# KiCad board GateMateA1-EVB_Rev_A.kicad_pcb (continued)
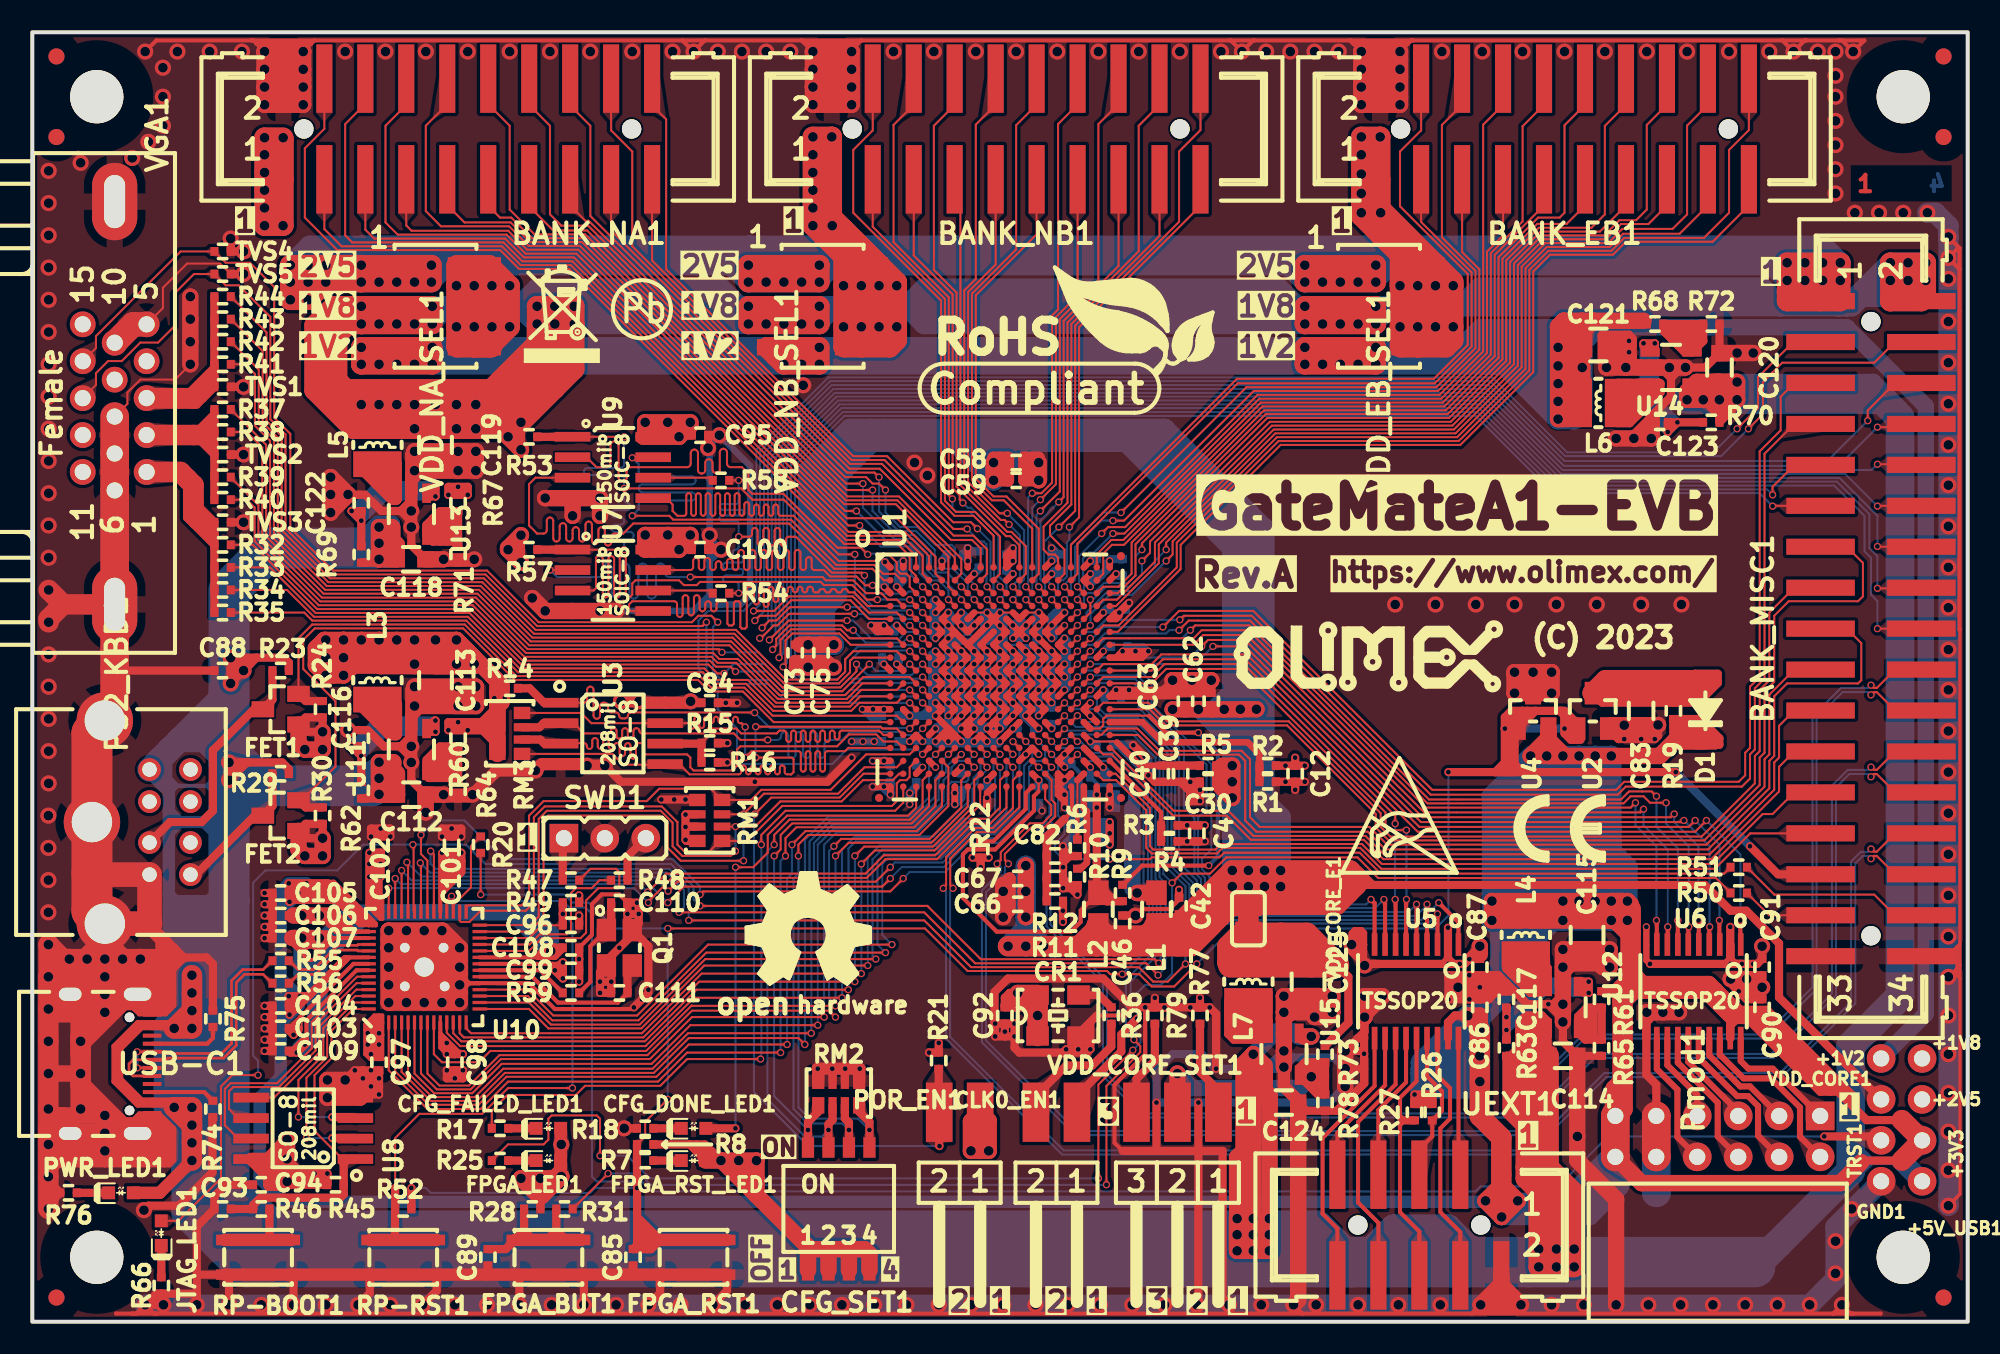
[diagram p0: board, top side]
## Routing (per net, layer and track width the routed paths; a pad name or vN(x,y) marks a point on that pad's centre or on a via; arc(x,y) is an arc through that point) (continued)
  Top w0.508: R27.2 85.11,12.49
/UEXT_TXD: length 8.5
  Top w0.254: U5.20 88.43,9.24 UEXT1.3
/USB_D+: length 15.7
  Top w0.165: USB-C1.B6 6.25,15.25 6,15.5 6,16 6.25,16.25 USB-C1.A6 8.29,16.25 8.4,16.35 11.86,16.35 12.65,17.14 12.65,21.04 13.16,21.55 14.31,21.55 14.87,21 R56.1
/USB_D-: length 15
  Top w0.165: USB-C1.A7 v2(6.5,15.75) ; v2(6.5,16.75) USB-C1.B7 8.29,16.75 8.4,16.65 11.74,16.65 12.35,17.26 12.35,21.16 13.04,21.85 14.31,21.85 14.87,22.4 R55.1
  Bottom w0.165: v2(6.5,15.75) v2(6.5,16.75)
/VGA_Blue_0: length 59.5
  Top w0.127: R44.2 14.52,61.39 14.52,55.89 15.46,54.95 15.46,49.11 18.45,46.12 28,46.12 31.2,42.92 43.63,42.92 46.71,39.84 49.91,39.84 50.4,40.33 50.4,41.1 50.9,41.6 53.6,41.6 U1.H2
/VGA_Blue_1: length 57.3
  Top w0.127: U1.H1 50.9,41.2 50.7,41 50.7,40.29 50.01,39.6 46.61,39.6 43.53,42.68 31.1,42.68 27.9,45.88 18.35,45.88 15.22,49.01 15.22,54.85 14.28,55.79 14.28,60.22 R43.2
/VGA_Blue_2: length 59.1
  Top w0.127: U1.J4 v2(55.2,40.8) ; v2(51.1,40.8) 51.1,40.35 50.1,39.36 46.57,39.36 46.56,39.36 46.51,39.36 43.43,42.44 31,42.44 27.8,45.64 18.25,45.64 14.98,48.92 14.98,54.75 14.04,55.69 14.04,59.06 R42.2
  Bottom w0.127: v2(51.1,40.8) 51.77,40.13 54.53,40.13 v2(55.2,40.8)
/VGA_Blue_3: length 57.4
  Top w0.127: v2(51.9,40.8) 50.22,39.12 46.47,39.12 46.47,39.12 46.42,39.12 43.33,42.21 30.91,42.21 27.71,45.41 18.16,45.41 14.74,48.82 14.74,54.66 13.81,55.59 13.81,58.79 13.2,59.4 R41.2 ; U1.J3 v2(54.4,40.8)
  Bottom w0.127: v2(54.4,40.8) 53.97,40.37 52.33,40.37 v2(51.9,40.8)
/VGA_Green_0: length 48.6
  Top w0.127: R40.2 13.3,51 13.78,50.52 13.78,48.43 17.76,44.45 27.31,44.45 30.51,41.25 42.12,41.25 42.49,40.88 43.65,40.88 46.12,38.4 50.6,38.4 51.4,39.2 53.6,39.2 U1.K2
/VGA_Green_1: length 48.3
  Top w0.127: R39.2 12.31,52.38 14.02,50.66 14.02,48.53 17.86,44.69 27.41,44.69 30.61,41.49 42.22,41.49 42.59,41.12 43.75,41.12 46.22,38.64 46.27,38.64 46.27,38.64 50.5,38.64 51.46,39.6 U1.K1
/VGA_Green_2: length 53.6
  Top w0.127: v2(42.76,41.53) 42.57,41.73 30.71,41.73 27.51,44.93 17.96,44.93 14.26,48.63 14.26,54.24 13.3,55.2 R38.2 ; U1.K4 v2(55.2,40)
  Bottom w0.127: v2(42.76,41.53) 45.02,41.53 47.19,39.36 50.12,39.36 50.66,39.89 55.09,39.89 v2(55.2,40)
/VGA_Green_3: length 53.8
  Top w0.127: U1.K3 54.4,40 51.52,40 50.4,38.88 46.37,38.88 46.37,38.88 46.32,38.88 43.23,41.97 30.81,41.97 27.61,45.17 18.06,45.17 14.5,48.72 14.5,54.41 R37.2
/VGA_HSync: length 76.8
  Top w0.127: VGA1.13 3.95,58.12 3.95,58.85 4.7,59.6 5.55,59.6 6.7,60.75 7.8,60.75 8.8,61.75 8.8,63.78 10.03,65 TVS5.2 11.99,64.3 12.8,64.3 14.76,62.34 14.76,55.99 15.7,55.05 15.7,49.21 18.55,46.36 28.1,46.36 31.3,43.16 41.56,43.16 v2(41.8,43.4) ; U1.M3 v2(54.4,38.4)
  Bottom w0.127: v2(54.4,38.4) 46.8,38.4 45.65,39.55 42.65,39.55 41.8,40.4 v2(41.8,43.4)
/VGA_Red_0: length 44.6
  Top w0.127: R35.2 16.86,44 17.36,43.5 26.91,43.5 30.11,40.3 41.57,40.3 42.28,39.58 44.26,39.58 45.94,37.9 50.78,37.9 51.28,38.4 53.6,38.4 U1.L2
/VGA_Red_1: length 44.2
  Top w0.127: R34.2 15.8,45.4 17.46,43.73 27.01,43.73 30.21,40.53 41.67,40.53 42.38,39.82 44.37,39.82 46.03,38.16 50.7,38.16 51.34,38.8 U1.L1
/VGA_Red_2: length 47.5
  Top w0.127: R33.2 14.74,46.8 17.56,43.97 27.11,43.97 30.31,40.77 41.92,40.77 42.47,40.22 v2(42.9,40.22) ; U1.L4 v2(55.2,39.2)
  Bottom w0.127: v2(42.9,40.22) 43.48,40.8 45.41,40.8 47.1,39.12 50.22,39.12 50.74,39.64 54.76,39.64 v2(55.2,39.2)
/VGA_Red_3: length 46.7
  Top w0.127: v2(43.6,40.34) 43.3,40.64 42.39,40.64 42.02,41.01 30.41,41.01 27.21,44.21 17.66,44.21 13.67,48.2 R32.2 ; U1.L3 v2(54.4,39.2)
  Bottom w0.127: v2(43.6,40.34) 45.54,40.34 47,38.88 50.38,38.88 50.7,39.2 v2(54.4,39.2)
/VGA_VSync: length 78.3
  Top w0.127: U1.M4 v2(55.2,38.4) ; v2(42.5,43.4) 42.1,43.8 41.3,43.8 40.9,43.4 31.4,43.4 28.2,46.6 18.65,46.6 16,49.25 16,55.09 15,56.09 15,64.2 13.5,65.7 11.99,65.7 TVS4.2 9.2,66.4 3.95,61.15 3.95,60.41 VGA1.14
  Bottom w0.127: v2(42.5,43.4) 42.2,43.1 42.2,40.34 42.73,39.81 45.73,39.81 46.9,38.64 50.49,38.64 50.65,38.8 54.8,38.8 v2(55.2,38.4)
/WB_A8: length 90.8
  Top w0.127: BANK_MISC1.9 109.26,53.16 107.9,51.8 v2(107.9,51.3) ; U1.H3 v2(54.4,41.6)
  Bottom w0.127: v2(54.4,41.6) 54.35,41.65 51.35,41.65 50.7,41 50.7,40.28 50.03,39.61 47.65,39.61 47.04,40.22 47.04,53.18 47.05,53.19 47.05,53.23 50.26,56.44 89.6,56.44 94.4,51.64 107.56,51.64 v2(107.9,51.3)
/WB_B8: length 90.2
  Top w0.127: U1.H4 v2(55.2,41.6) ; v2(107.9,50.6) 107.92,50.62 BANK_MISC1.11
  Bottom w0.127: v2(107.9,50.6) 107.1,51.4 94.3,51.4 89.5,56.2 50.35,56.2 47.29,53.14 47.29,53.09 47.28,53.08 47.28,40.32 47.75,39.85 49.93,39.85 50.4,40.32 50.4,41.1 51.19,41.89 54.09,41.89 54.2,42 54.8,42 v2(55.2,41.6)
/WC_A0: length 102.5
  Top w0.127: v2(46.56,40.62) 46.7,40.77 46.7,42.27 47.13,42.7 50.04,42.7 50.74,42 U1.G1 ; v2(114.4,43) BANK_MISC1.18
  Bottom w0.127: v2(46.56,40.62) 46.8,40.87 46.8,53.28 46.81,53.29 46.81,53.33 50.16,56.68 89.7,56.68 94.5,51.88 111.72,51.88 113.6,50 113.6,47.8 114,47.4 114,45.1 114.4,44.7 v2(114.4,43)
/WC_A1: length 99.7
  Top w0.127: U1.G3 v2(54.4,42.4) ; v2(50.9,42.9) 50.51,42.9 50.21,43.2 46.95,43.2 46.12,42.38 46.12,41.92 v2(45.9,41.7) ; v2(114.4,48.1) 114.42,48.08 BANK_MISC1.14
  Bottom w0.127: v2(45.9,41.7) 46.32,42.12 46.32,53.47 46.33,53.49 46.33,53.53 49.96,57.16 89.9,57.16 94.7,52.36 112.04,52.36 114.4,50 v2(114.4,48.1) ; v2(54.4,42.4) 54.22,42.4 53.95,42.13 51.67,42.13 v2(50.9,42.9)
/WC_A2: length 97.5
  Top w0.127: v2(50.98,43.92) 46.92,43.92 46.2,43.2 45.97,43.2 45.17,42.4 v2(45.1,42.4) ; v2(114.4,53.2) 117.09,53.2 BANK_MISC1.10 ; U1.F3 v2(54.4,43.2)
  Bottom w0.127: v2(54.4,43.2) 54.21,43.2 53.77,43.64 51.8,43.64 51.52,43.92 v2(50.98,43.92) ; v2(45.1,42.4) 45.17,42.4 45.84,43.08 45.84,53.72 49.76,57.63 90.09,57.63 94.89,52.84 114.04,52.84 v2(114.4,53.2)
/WC_A3: length 97.9
  Top w0.127: v2(44.8,43.5) 45.1,43.8 46.1,43.8 47.06,44.76 50.73,44.76 51.89,43.6 U1.E1 ; v2(113.8,55.9) 113.8,56.54 115.5,58.24 BANK_MISC1.6
  Bottom w0.127: v2(44.8,43.5) 45.37,44.07 45.37,53.91 49.56,58.11 90.29,58.11 95,53.4 111.3,53.4 v2(113.8,55.9)
/WC_B0: length 100.9
  Top w0.127: BANK_MISC1.16 117.09,45.5 v2(114.4,45.5) ; v2(46.3,41.2) 46.39,41.29 46.39,42.3 47.05,42.96 50.11,42.96 50.67,42.4 53.6,42.4 U1.G2
  Bottom w0.127: v2(46.3,41.2) 46.56,41.46 46.56,53.37 46.57,53.39 46.57,53.43 50.06,56.92 89.8,56.92 94.6,52.12 111.88,52.12 113.9,50.1 113.9,48 114.4,47.5 v2(114.4,45.5)
/WC_B1: length 98.3
  Top w0.127: U1.G4 v2(55.2,42.4) ; 45.74,42.34 v2(45.7,42.3) 46.9,43.5 50.51,43.5 v2(50.52,43.51) ; BANK_MISC1.12 114.42,50.62 v2(114.4,50.6)
  Bottom w0.127: v2(114.4,50.6) 112.4,52.6 94.79,52.6 89.99,57.39 49.86,57.39 46.1,53.63 46.1,53.58 46.08,53.57 46.08,42.68 v2(45.7,42.3) ; v2(50.52,43.51) 50.89,43.51 52.03,42.37 53.77,42.37 54.2,42.8 54.8,42.8 v2(55.2,42.4)
/WC_B2: length 98.7
  Top w0.127: v2(114.4,55.5) 116.93,55.5 BANK_MISC1.8 ; U1.F4 v2(55.2,43.2) ; v2(50.53,44.33) 46.97,44.33 46.14,43.5 45.7,43.5 v2(45.25,43.05)
  Bottom w0.127: v2(45.25,43.05) 45.61,43.41 45.61,53.82 49.66,57.87 90.19,57.87 94.96,53.1 112,53.1 v2(114.4,55.5) ; v2(55.2,43.2) 54.8,43.6 54.21,43.6 53.93,43.88 51.92,43.88 51.47,44.33 v2(50.53,44.33)
/WC_B3: length 100.1
  Top w0.127: U1.E2 53.6,44 51.87,44 50.87,45 46.9,45 46,44.1 v2(44.72,44.1) ; v2(106.4,55.4) 107.3,56.3 107.3,58.3 108.5,59.5 114.2,59.5 115.48,60.78 BANK_MISC1.4
  Bottom w0.127: v2(44.72,44.1) 45.13,44.51 45.13,54.01 49.46,58.35 90.39,58.35 95.04,53.7 104.7,53.7 v2(106.4,55.4)
/~{BOOTSEL}: length 6.1
  Top w0.508: R46.2 14.71,5.08 14.7,5.08
  Top w0.762: RP-BOOT1.1 RP-BOOT1.1
Net-(BANK_MISC1-Pad31): length 5.1
  Top w0.127: BANK_MISC1.31 107.69,25.22 R50.2
Net-(BANK_MISC1-Pad32): length 12.1
  Top w0.127: BANK_MISC1.32 115.48,25.22 114.2,26.5 108.01,26.5 R51.1
Net-(C89-Pad1): length 12.3
  Top w0.508: 32.49,5.67 31.9,5.08 ; 32.49,5.67 32.51,5.67 33.1,5.08 ; 32.49,5.67 R31.1 ; 30.49,5.64 31.06,5.08 31.3,5.08 ; 30.49,5.64 R28.1 ; 30.49,5.64 FPGA_BUT1.1 29.36,4.51 C89.1
  Top w0.762: FPGA_BUT1.1 FPGA_BUT1.1
Net-(C110-Pad1): length 6.4
  Top w0.254: R59.1 34.6,21.09 34.6,23.3 Q1.1
  Top w0.508: C110.1 35.89,24.59 Q1.1
Net-(CFG_DONE_LED1-K): length 1.7
  Top w0.508: R18.1 CFG_DONE_LED1.1
Net-(CFG_FAILED_LED1-K): length 1.7
  Top w0.508: R17.1 CFG_FAILED_LED1.1
Net-(CLK0_EN1-Pad2): length 8.4
  Top w0.508: CLK0_EN1.2 62.23,14.02 64.11,15.9 65.72,15.9 66.9,17.08 R36.1
Net-(CR1-OUT): length 2.3
  Top w0.508: CR1.3 66.14,20.27 R36.2
Net-(D1-A): length 27.2
  Top w0.508: R19.2 97.34,38.41 U2.3 ; R19.2 101.75,38.95 101.7,39 ; R19.2 103.28,38.41 103.75,38.88 ; 103.75,38.88 104.5,39.62 104.5,40.2 103.1,40.2 102.7,39.8 ; 103.75,38.88 D1.2
  Top w1.27: 102.95,39 D1.2 97.55,39.8 U2.3 102.95,39
Net-(FET1-D): length 15.3
  Top w0.508: R23.2 14.89,38.59 FET1.3 13.75,38 11.2,35.45 11.2,31.7 10.5,31 8.54,31 PS2_KBD1.1
Net-(FET2-D): length 8.9
  Top w0.508: PS2_KBD1.5 10.14,27.74 13.8,31.4 FET2.3 14.89,31.99 R29.2
Net-(FPGA_LED1-K): length 1.7
  Top w0.508: R25.1 FPGA_LED1.1
Net-(FPGA_RST_LED1-K): length 1.7
  Top w0.508: R7.1 FPGA_RST_LED1.1
Net-(JTAG_LED1-K): length 2
  Top w0.508: JTAG_LED1.1 R66.1
Net-(PWR_LED1-K): length 2
  Top w0.508: R76.1 PWR_LED1.1
Net-(R1-Pad2): length 11.8
  Top w0.406: U1.N18 68.82,37.2 70.07,35.95 75.35,35.95 76.08,35.22 R2.2
  Top w0.508: R2.2 R1.2
Net-(R3-Pad2): length 6.3
  Top w0.254: U1.T18 69.99,31.61 R3.2
  Top w0.508: R3.2 R4.2
Net-(R6-Pad2): length 4.3
  Top w0.127: 64.8,33.6 64.8,31.4
  Top w0.254: R6.2 64.8,31.4
  Top w0.406: U1.U16 64.8,33.6
Net-(R10-Pad2): length 5.5
  Top w0.406: U1.V16 65.2,31.85 65.39,31.66 65.39,28.49 65.01,28.11 R10.2
Net-(R47-Pad2): length 2.6
  Top w0.508: R47.2 32.89,29.93 SWD1.1
Net-(R48-Pad2): length 3.1
  Top w0.508: SWD1.3 36.91,28.87 R48.2
Net-(R77-Pad2): length 6
  Top w0.508: VDD_CORE_SET1.1 73.54,14.36 72.4,15.5 R77.2
Net-(R79-Pad1): length 6
  Top w0.508: VDD_CORE_SET1.3 68.46,15.06 69.6,16.2 R79.1
Net-(TVS1-IO2): length 19.2
  Top w0.508: R41.1 11.29,59.19 9.4,57.3 9.2,57.3 ; R41.1 11.29,58.6 ; R41.1 R42.1 R43.1 R44.1 ; 11.29,58.6 10,57.31 10,57.3 10.59,57.3 ; 11.29,58.6 TVS1.2 10.59,57.3 ; 10.59,57.3 10.19,56.9 9.8,56.9 ; 9.99,56.9 8.8,56.9 ; 9,56.9 7.49,56.9 VGA1.3
  Top w1.27: 10,57.3 VGA1.3
Net-(TVS2-IO2): length 15.8
  Top w0.508: TVS2.2 10.08,55.01 10,55.01 11.29,56.3 11.29,56.3 ; TVS2.2 11.29,54.2 ; TVS2.2 R39.1 R40.1 ; R38.1 11.29,54.2 ; R38.1 11.29,55.8 ; R38.1 11.1,55.01 10.5,55.01 10.5,55.01 ; 11.29,54.2 11.29,54.22 10.5,55.01 ; 11.29,55.8 11.29,56.3 ; 11.29,55.8 10.5,55.01 ; 11.29,56.3 R37.1
  Top w1.27: VGA1.2 10.5,55.01
Net-(TVS3-IO2): length 23.5
  Top w0.508: 11.29,48.8 11.29,48.91 10,50.2 ; 11.29,48.8 TVS3.2 ; 11.29,48.8 11.29,48.6 ; 10,50.2 10.6,49.6 TVS3.2 ; 10,50.2 10,49.89 11.29,48.6 ; 10,50.2 10,49.49 ; R32.1 10,49.49 ; R32.1 R33.1 R34.1 R35.1 ; R32.1 11.29,48.6 ; 10,49.49 9.6,49.89 9.6,52.3 ; TVS3.2 10,50.89 10,50.9
  Top w1.27: VGA1.1 9.18,52.72 10,51.9 10,50.2
Net-(U1A-SER_RTERM): length 5.2
  Top w0.254: R22.1 59.59,29.81 61.6,31.82 61.6,32.8 U1.V12
Net-(U1G-NC): length 23.1
  Top w0.127: 69.23,37.6 66.6,37.6 66.4,37.4 66.4,37 66.2,36.8 65.6,36.8
  Top w0.254: v2(72.94,28.3) 68.82,28.3 67.62,27.11 R9.2 ; 69.23,37.6 70.28,36.55 v2(72.3,36.55)
  Top w0.406: U1.N16 65.6,36.8
  Bottom w0.254: v2(72.3,36.55) 73.5,35.35 73.5,28.86 v2(72.94,28.3)
Net-(U1H-POR_ADJ): length 7.8
  Top w0.254: 64,31.2 64.46,31.66 64.46,33.14 U1.V15
  Top w0.508: 64,31.2 62.89,30.09 C82.1 R12.1 R11.1
Net-(U6-B1): length 7.8
  Top w0.381: U6.20 105.93,16.17 106.4,15.7 107.92,15.7 Pmod1.1
Net-(U6-B2): length 10.9
  Top w0.381: U6.18 104.62,16.58 106.1,15.1 107.8,15.1 109.6,13.3 109.6,11.48 Pmod1.7
Net-(U6-B3): length 7
  Top w0.381: Pmod1.2 108.31,12.79 106.5,14.6 105.9,14.6 103.97,16.53 U6.17
Net-(U6-B4): length 9.8
  Top w0.381: Pmod1.8 107,11.54 107,13.38 106.38,14 105.7,14 103.32,16.38 U6.16
Net-(U6-B5): length 6.1
  Top w0.381: Pmod1.3 105.77,13.03 102.68,16.12 U6.15
Net-(U6-B6): length 8.9
  Top w0.381: Pmod1.9 104.5,11.5 104.5,13.6 102.03,16.08 U6.14
Net-(U6-B7): length 5.6
  Top w0.381: Pmod1.4 103.23,14.07 101.38,15.92 U6.13
Net-(U6-B8): length 8.4
  Top w0.381: U6.12 100.72,15.67 102,14.4 102,11.46 Pmod1.10
Net-(U7-SCLK): length 3.8
  Top w0.127: R54.1 42.03,45.36 U7.6
Net-(U9-SCLK): length 3.8
  Top w0.127: R58.1 42.03,52.36 U9.6
Net-(U10-XIN): length 11.9
  Top w0.254: U10.20 30.99,21.41 32.6,19.8 36.31,19.8 C111.1
  Top w0.508: C111.1 36.91,21.81 Q1.2
Net-(U10-XOUT): length 5.7
  Top w0.254: R59.2 31.49,21.81 U10.21
Net-(U11-EN): length 23.9
  Top w0.508: v2(20.4,35.1) v2(19.8,35.7) 19.81,35.69 C116.1 v2(20.4,35.1) ; v2(20.4,35.1) R62.1 ; U11.1 24.95,37.3 v2(25,37.3) v2(25,36.6) 24.65,36.6 U11.1
  Bottom w0.508: 20.1,35.4 21.5,36.8 25,36.8 ; 20.1,35.4 v2(20.4,35.1) 21.9,36.6 v2(25,36.6) 25,36.8 ; 20.1,35.4 v2(19.8,35.7) 21.4,37.3 v2(25,37.3) 25,36.8
Net-(U11-FB): length 17
  Top w0.508: 25.33,34.62 R60.1 ; 25.33,34.62 25.77,34.62 26.4,35.26 ; 25.33,34.62 24.87,34.62 ; R60.1 25.28,35.69 24.45,34.87 U11.5 ; R60.1 26.4,35.26 ; R60.1 25.94,35.69 24.87,34.62 ; 26.4,34.62 26.4,34.11 ; 26.4,34.62 24.87,34.62 ; 26.4,34.62 26.4,35.26 ; 26.4,34.11 R64.1 26.15,33.73 24.59,33.73 24.45,33.87 U11.5 ; 26.4,34.11 26.31,34.2 U11.5 ; U11.5 24.87,34.62
Net-(U11-LX): length 14.4
  Top w0.762: L3.1 20.65,38.6 20.35,38.3 21.42,37.22 ; L3.1 22.25,38.6 22.55,38.3 U11.3 ; L3.1 22.55,37.45 U11.3 ; L3.1 20.8,38.6 20.78,38.58 ; U11.3 22.55,36.45 22.2,36.45 22.15,36.5 ; U11.3 22.25,36.5 22.15,36.5 ; U11.3 21.42,37.92 ; 21.42,37.22 21.42,37.92 ; 21.42,37.22 22.15,36.5 ; 20.78,38.58 21.42,37.92 ; 20.78,38.58 20.45,38.9
Net-(U12-EN): length 23.7
  Top w0.508: 96.15,21.1 96.15,20.5 96.25,20.4 ; 96.15,21.1 v2(96.5,21.1) v2(96.5,20.4) 96.25,20.4 ; 96.15,21.1 U12.1 96.25,20.4 ; R63.1 v2(91.4,18.1) v2(91.4,18.9) C117.1
  Bottom w0.508: 91.4,18.4 v2(91.4,18.9) 93.6,21.1 94,21.1 ; 91.4,18.4 v2(91.4,18.1) 93.9,20.6 95.4,20.6 ; 91.4,18.4 91.4,18.5 94,21.1 ; v2(96.5,20.4) v2(96.5,21.1) 94,21.1 ; v2(96.5,20.4) 95.6,20.4 95.4,20.6 ; v2(96.5,20.4) 96.3,20.6 95.4,20.6
Net-(U12-FB): length 12.1
  Top w0.508: 96.8,19.49 R61.1 R65.1 96.8,17.51 ; 96.8,19.49 96.8,17.51 ; 96.8,19.49 96.39,19.49 ; 96.8,17.51 96.29,17.51 ; 96.1,17.7 95.85,17.95 U12.5 95.85,18.95 96.39,19.49 ; 96.1,17.7 96.1,19.11 96.39,19.4 ; 96.1,17.7 96.29,17.51 ; 96.39,19.4 96.39,17.61 96.29,17.51 ; 96.39,19.4 96.39,19.49
Net-(U12-LX): length 16.5
  Top w0.508: 93.95,21.7 93.85,21.6 91.7,21.6 ; 93.95,21.7 93.95,21.95 ; 93.95,21.7 93.95,21.4 ; 93.95,21.95 93.9,21.9 91.4,21.9 ; 93.95,21.95 93.1,22.8 L4.1 91.4,22.8 91.4,21.9 ; 92.1,21.2 93.75,21.2 93.95,21.4 ; 92.1,21.2 92.5,20.8 ; 92.1,21.2 91.7,21.6 ; U12.3 93.95,21.4 ; U12.3 93.55,20.4 92.9,20.4 92.5,20.8 ; U12.3 92.5,20.8 ; 91.7,21.6 91.4,21.9
Net-(U13-EN): length 23.6
  Top w0.508: v2(20.4,49.7) v2(19.8,50.3) 19.81,50.29 C122.1 R69.1 ; 25,51.7 24.75,51.7 U13.1 24.65,51.2 v2(25,51.2) 25,51.7
  Bottom w0.508: 25,51.4 v2(25,51.9) 21.4,51.9 v2(19.8,50.3) 20.1,50 ; 25,51.4 v2(25,51.2) 21.9,51.2 v2(20.4,49.7) 20.1,50 ; 25,51.4 21.5,51.4 20.1,50
Net-(U13-FB): length 14.6
  Top w0.508: 25.7,48.4 26.11,48.4 ; 25.7,48.4 25.3,48.4 ; 25.7,48.4 25.7,50.29 ; 26.11,48.4 26.11,50.18 26,50.29 ; 26.11,48.4 R71.1 R67.1 26,50.29 ; 25.3,48.4 25.3,50.28 25.29,50.29 ; 25.3,48.4 24.84,48.4 ; 25.7,50.29 26,50.29 ; 25.7,50.29 25.29,50.29 ; 24.84,48.4 24.44,48.8 24.44,49.44 24.85,49.85 ; 24.84,48.4 24.84,49.84 24.85,49.85 ; 25.29,50.29 24.85,49.85
Net-(U13-LX): length 12.3
  Top w0.762: L5.1 22.54,53.2 22.54,52.06 ; L5.1 20.7,53.2 20.45,52.95 21.4,52 ; L5.1 22.54,52.06 ; L5.1 21.4,52.54 22.54,51.4 22.54,51.05 22.35,51.05 21.4,52 ; L5.1 21.4,52 ; 22.54,52.06 22.54,51.41
Net-(U14-EN): length 24.9
  Top w0.508: R70.1 v2(102,55.8) ; v2(102,55.8) v2(101.4,55.2) 101.41,55.21 C123.1 v2(102,55.8) ; v2(100.6,60.7) 100.6,60.44 U14.1 99.9,60.56 v2(99.9,60.7) v2(100.6,60.7)
  Bottom w0.508: 101.7,55.5 100.2,57 100.2,60.3 v2(100.6,60.7) ; 101.7,55.5 v2(101.4,55.2) 99.9,56.7 v2(99.9,60.7) v2(100.6,60.7) ; 101.7,55.5 v2(102,55.8) 100.6,57.2 v2(100.6,60.7)
Net-(U14-FB): length 15.4
  Top w0.508: 102.91,61 102.91,61.89 102.9,61.9 ; 102.91,61 102.91,60.6 ; 102.91,61 103.44,61 103.6,60.84 ; 102.91,61 101.6,61 ; 103.6,61.4 R72.1 102.9,61.9 ; 103.6,61.4 103.52,61.48 101.12,61.48 ; 103.6,61.4 103.6,60.84 ; 103.6,60.84 U14.5 ; 102.9,61.9 R68.1 101.12,61.48 ; U14.5 102.45,60.15 101.9,60.7 ; U14.5 102.91,60.6 ; U14.5 102.85,60.15 102.4,60.6 ; 101.9,60.7 101.6,61 ; 101.9,60.7 102,60.6 102.4,60.6 ; 101.6,61 101.12,61.48 ; 102.91,60.6 102.4,60.6
Net-(U14-LX): length 21.1
  Top w0.508: 100.95,58.2 99.45,56.7 98.6,56.7 L6.1 ; 100.95,58.2 100.95,57.65 99.6,56.3 ; 100.95,58.2 100.9,58.25 U14.3 ; L6.1 99,56.3 99.6,56.3 ; L6.1 98.3,58.25 U14.3 ; L6.1 99.06,57 U14.3 ; L6.1 98.45,57 99.7,58.25 ; L6.1 98.3,55.75 99.05,55.75 99.6,56.3 ; L6.1 99.55,58.25 99.7,58.25 ; U14.3 99.7,58.25
Net-(U15-FB): length 22.3
  Top w0.508: 80.15,15.8 79.05,15.8 U15.5 ; 80.15,15.8 R73.1 78.89,16.09 78.55,15.75 U15.5 ; 80.15,15.8 R78.1 ; U15.5 79.2,15.3 v1(79.3,15.2) 80.15,14.35 R78.1 ; U15.5 78.55,15.25 79.69,14.11 R78.1
  Top w1.016: VDD_CORE_SET1.2 v1(71,15.4) ; 79.9,15.2 v1(79.3,15.2)
  Bottom w1.016: v1(71,15.4) 71.9,14.5 78.6,14.5 v1(79.3,15.2)
Net-(U15-LX): length 22.1
  Top w0.508: U15.3 76.65,18.65 ; U15.3 76.6,17.85 74.15,17.85 ; U15.3 76.25,17.5 74.5,17.5 74.15,17.85 ; 76.65,18.65 76.3,18.3 74.15,18.3 ; 76.65,18.65 76.6,18.7 ; 76.65,18.65 76.65,20.4 75.9,20.4 L7.1 ; 76.65,18.65 L7.1 ; L7.1 74.15,19.9 74.15,19 ; 76.6,18.7 76.3,19 74.15,19 ; 76.6,18.7 74.15,18.7 ; 74.15,19 74.15,18.7 ; 74.15,18.7 74.15,18.3 ; 74.15,18.3 74.15,17.85
Net-(USB-C1-CC1): length 4.6
  Top w0.254: R75.2 11.2,17.6 10.85,17.25 USB-C1.A5
Net-(USB-C1-CC2): length 4
  Top w0.254: USB-C1.B5 10.66,14.25 R74.2

## Copper pours and planes (outline as drawn; the poured copper is in the pictures)
+1V8 on In2.Cu: 19.5,58.5 39.8,58.5 50,48.3 53.85,48.3 56.4,45.75 56.4,42.8 56.4,42.8 47.2,42.8 46.4,43.6 31.6,43.6 27.6,47.61 20.4,47.61 19.5,48.5
+2V5 on In2.Cu: -5,85 125,85 125,-5 -5,-5
GND on Top, Bottom, In1.Cu: 21.4,24.8 27.2,24.8 27.2,19.2 21.4,19.2
GND on Top, Bottom, In1.Cu: -10,90 130,90 130,-10 -10,-10
VDD_CORE on In2.Cu: 47.4,42.4 47.8,42.8 58.8,42.8 58.8,53.6 59.2,54 60,54 60.4,53.6 60.4,42.2 60.6,42 62.9,42 63.2,41.7 63.2,39.2 63.6,38.8 76.4,38.8 76.8,38.4 76.8,37.6 76.4,37.2 62.8,37.2 62.8,24.6 63.6,23.8 63.6,23 63.2,22.6 60,22.6 59.6,23 59.6,23.8 60.4,24.6 60.4,36.8 57.4,36.8 56.8,37.4 56.8,41.2 47.8,41.2 47.4,41.6
VDD_EB on In2.Cu: 78,82 78,69 65.5,56.5 65.5,49.35 63.75,47.6 63.75,44.15 63,43.38 63.01,43.01 62.75,42.75 62.75,42.25 63,42 63.4,42 63.8,42.4 66.91,42.4 78.5,54 88.75,54 93.5,58.75 93.5,65 94.25,65.75 106.75,65.75 112,71 112,82
VDD_NA on In2.Cu: 7.6,82 7.6,72.9 14.1,66.4 18.4,66.4 19.5,65.3 19.5,58.5 39.8,58.5 50,48.3 53.85,48.3 56.1,46.05 56.4,45.75 56.4,43.8 56.4,42.8 58.8,42.8 58.8,44.05 59.05,44.3 59.59,44.3 59.7,44.4 59.7,45.9 59.5,46.1 59.5,47.9 59.49,49.41 59.2,49.7 57.1,49.7 52.9,53.9 51,53.9 43.5,61.4 43.5,82
VDD_NB on In2.Cu: 43.5,82 43.5,61.4 51,53.9 52.9,53.9 57.1,49.7 59.2,49.7 59.5,49.4 59.5,46.1 59.7,45.9 59.7,42.2 59.9,42 62,42 63,43 63,43.38 63.75,44.15 63.75,47.6 65.5,49.35 65.5,56.5 78,69 78,82

Small or netless copper shapes (teardrops, artwork), in the pictures only: 941 on Top, 341 on Bottom, 4 on In2.Cu

## Text on the board
Bottom: 4
B.Silkscreen: TRST1 | +1V2 | +2V5 | FPGA Oscillator is connected to CLK0. | 1-2 Closed | 2-3 Closed | Both Opened | 6 | 12 | 5 | 11 | 4 | 10 | 3 | 9 | 2 | 8 | 1 | 7 | GND | +1V8 | +3V3 | +5V_USB | VDD_CORE | FPGA Oscillator is disconnected. | VDD_CORE=0.90V (Low power mode) | VDD_CORE=1.00V (Economy mode) | VDD_CORE=1.10V (Speed mode) | SET1 | VDD_CORE_ | SPI Passive Mode CPOL=0,CPHA=0 | SPI Passive Mode CPOL=0,CPHA=1 | SPI Passive Mode CPOL=1,CPHA=0 | SPI Passive Mode CPOL=1,CPHA=1 | SPI Active Mode CPOL=0,CPHA=0 | SPI Active Mode CPOL=0,CPHA=1 | SPI Active Mode CPOL=1,CPHA=0 | SPI Active Mode CPOL=1,CPHA=1 | Description | Configuration Mode | Configuration Mode Setup | Power-On Reset is disabled. | Power-On Reset is enabled. | JTAG | SW4 | OFF | ON | State | Closed | Opened | SW3 | CFG_SET1 | SW2 | Jumper | POR_EN1 | SW1 | CLK0_EN1 | Pmod
User.Comments: 4 Layers PCB / Dimensions: 120.00x80.00mm / Exclusions: 27
Top: 1
F.Silkscreen: OFF | https://www.olimex.com/ | 2V5 | 1V8 | 1V2 | 1 | 2 | 3 | (C) 2023 | Rev.A | GateMateA1-EVB
In1.Cu: 2
In2.Cu: 3
